# Altium PCB Brake Module B3 Sample.PcbDoc
Units mm, origin at the board's own origin, x right, y up, seen from the top; angles counter-clockwise.
Board outline 59.44 x 86.36 mm, 4 copper layers (Top Layer, Int1 (PWR), Int2 (GND), Bottom Layer), stack 1.439 mm thick; 101 components, 73 nets, 376 pads, 88 vias.
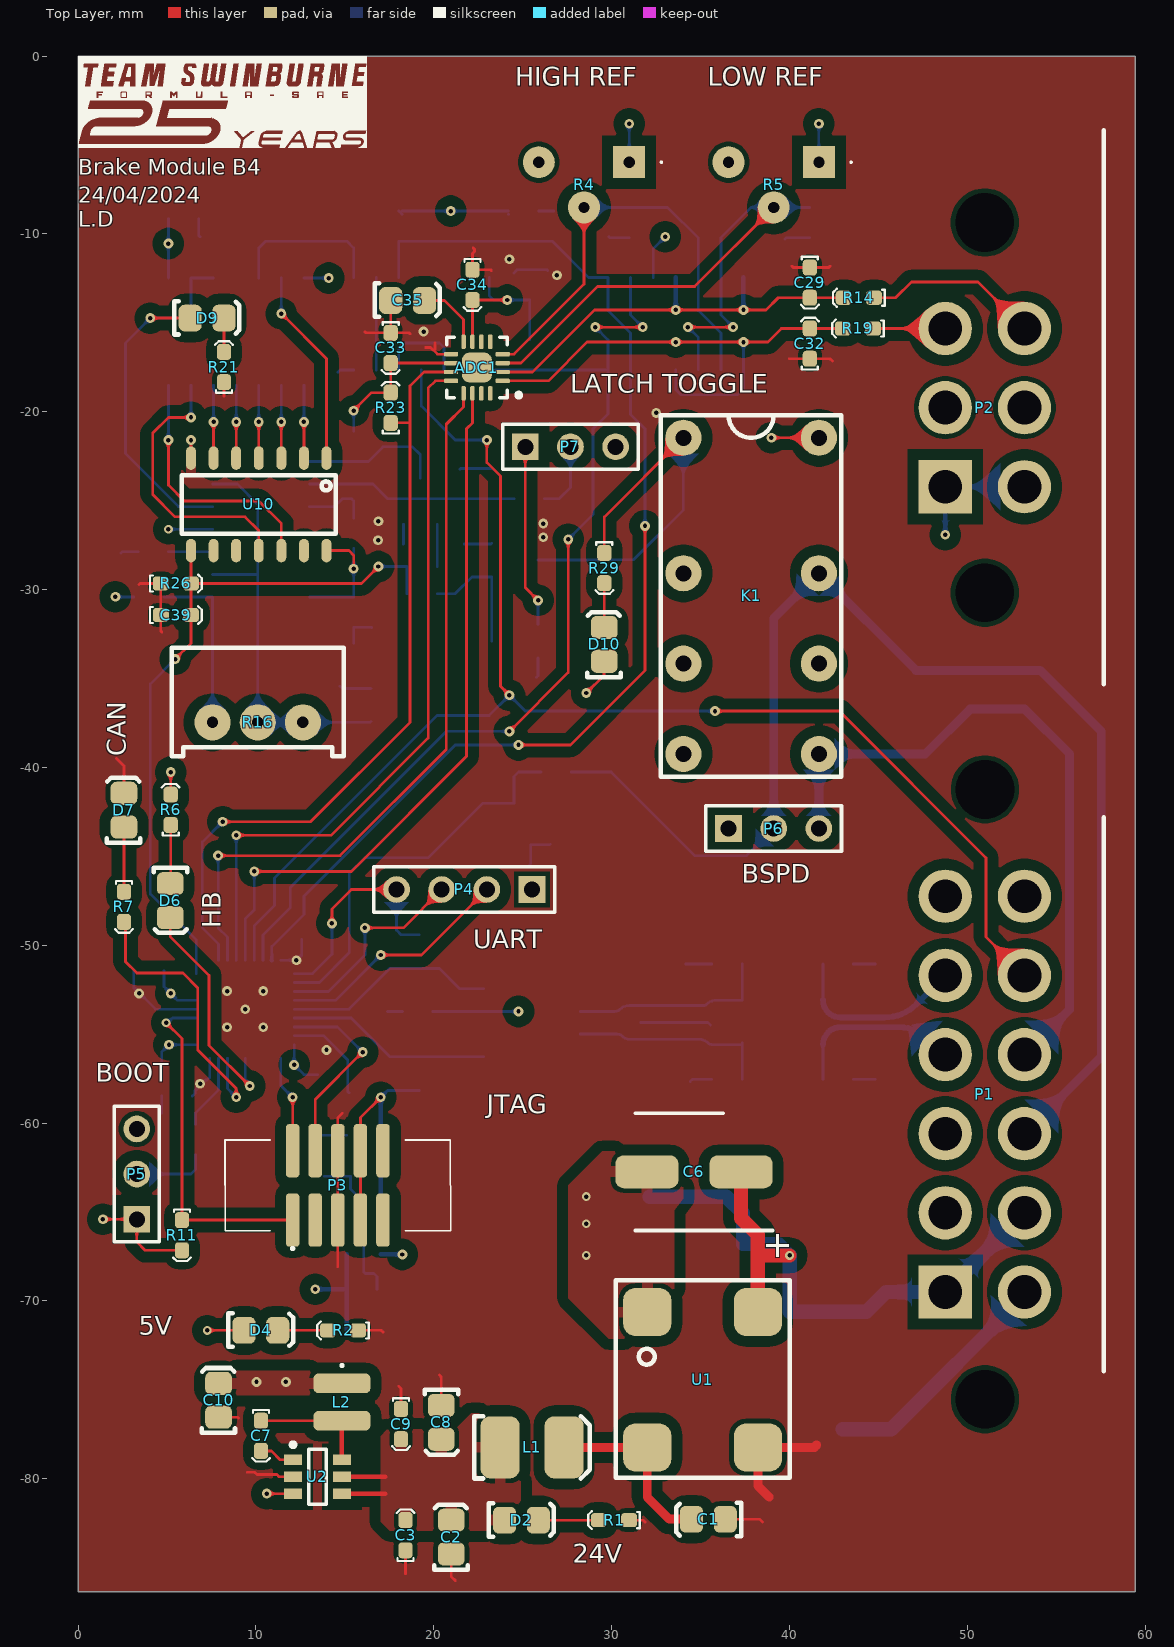
[diagram p0: Top Layer view]
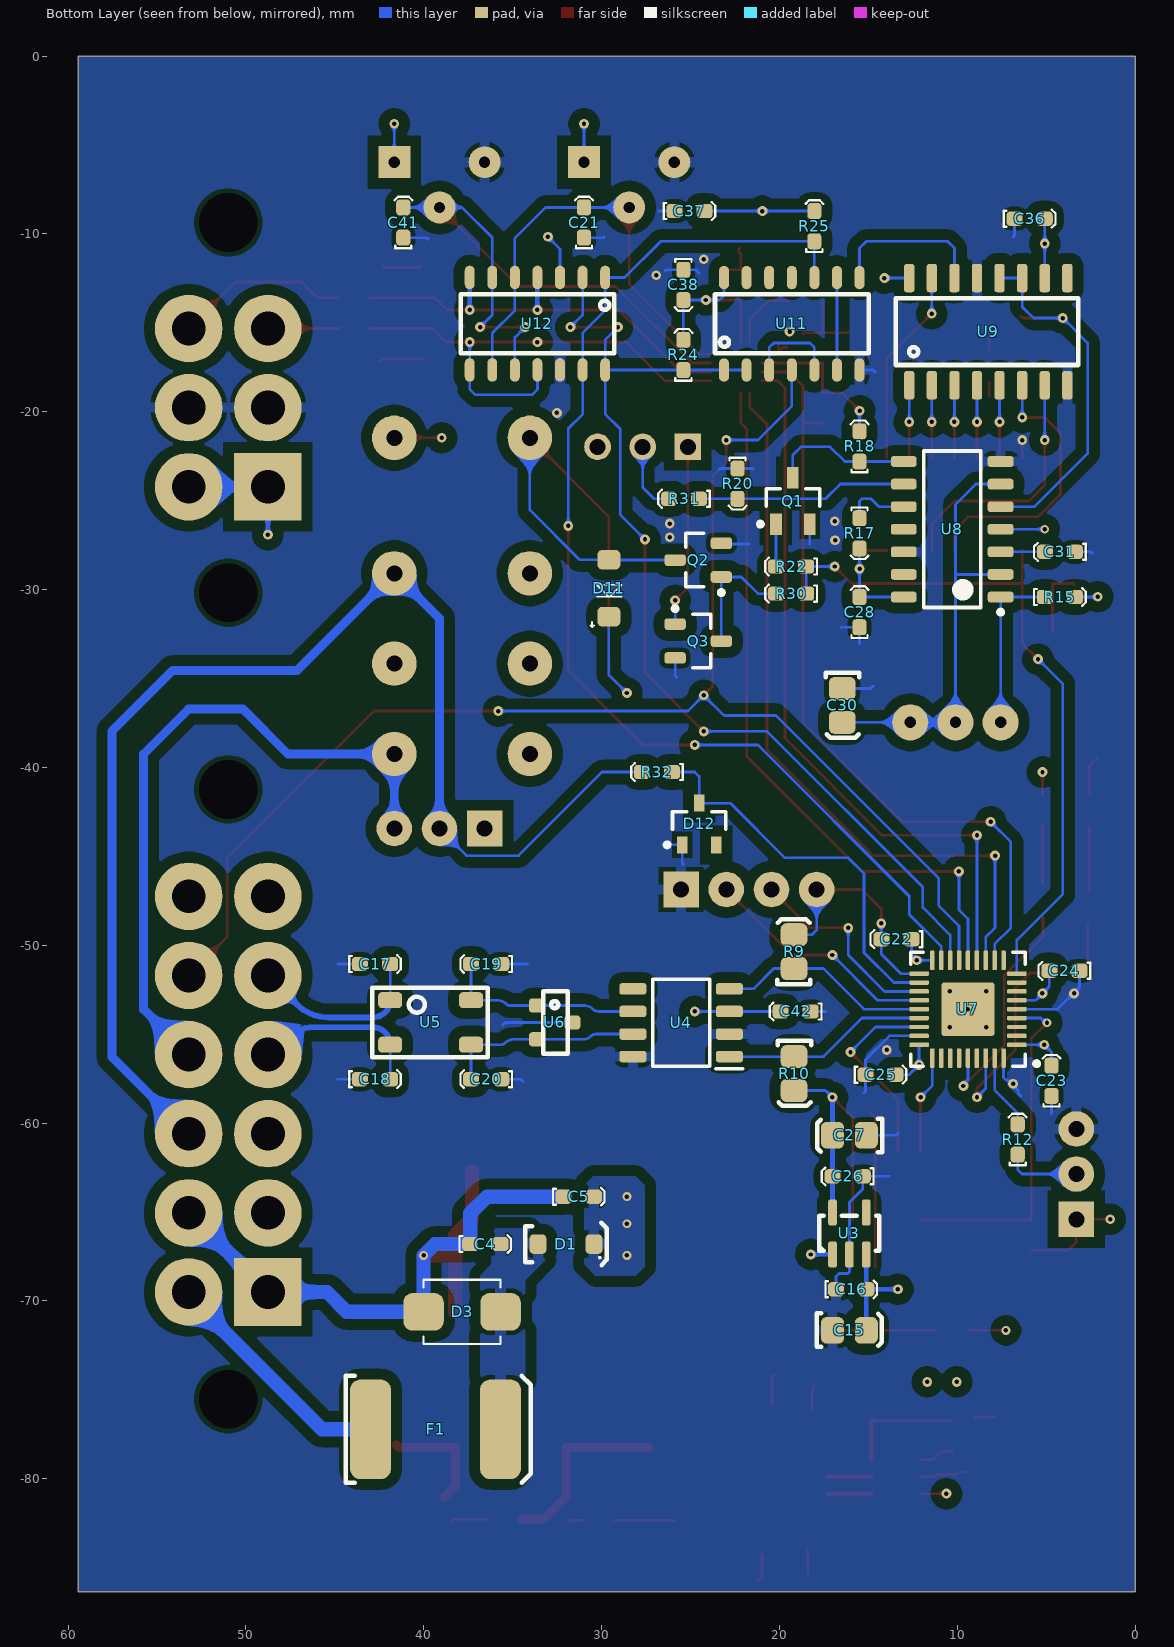
[diagram p1: Bottom Layer view, seen from below]
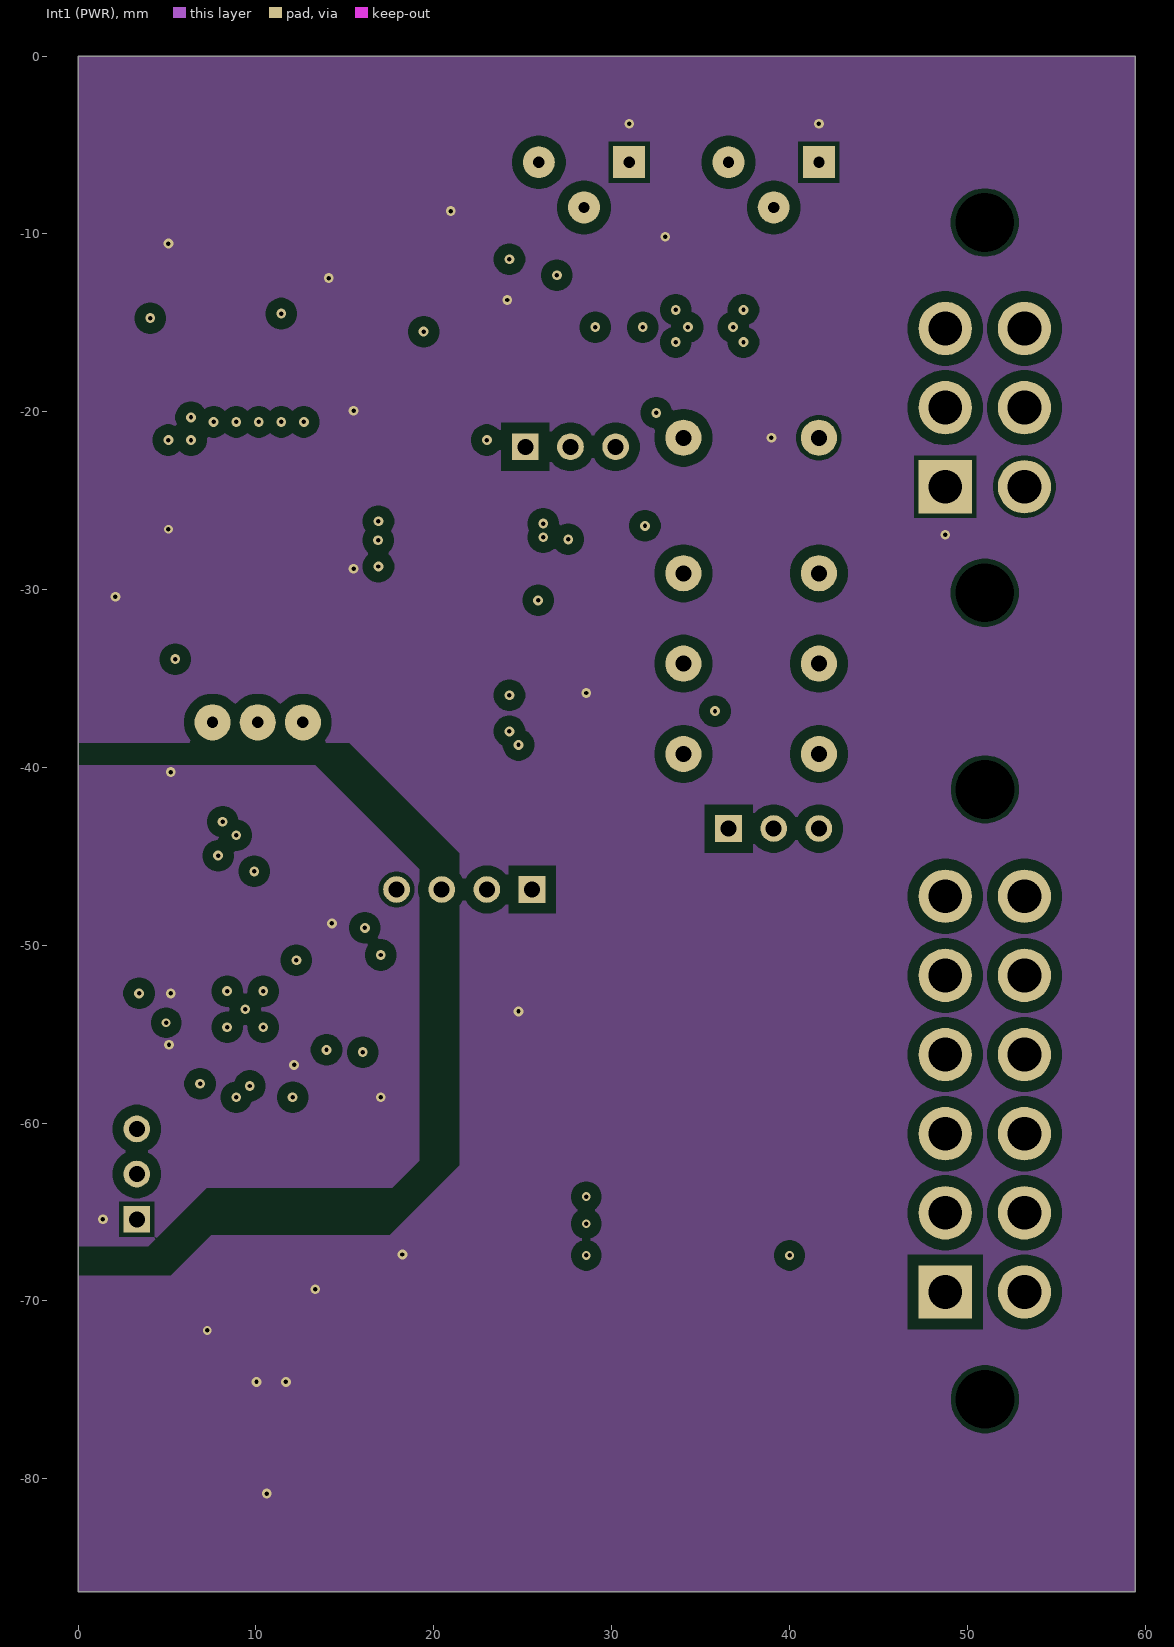
[diagram p2: Int1 (PWR)]
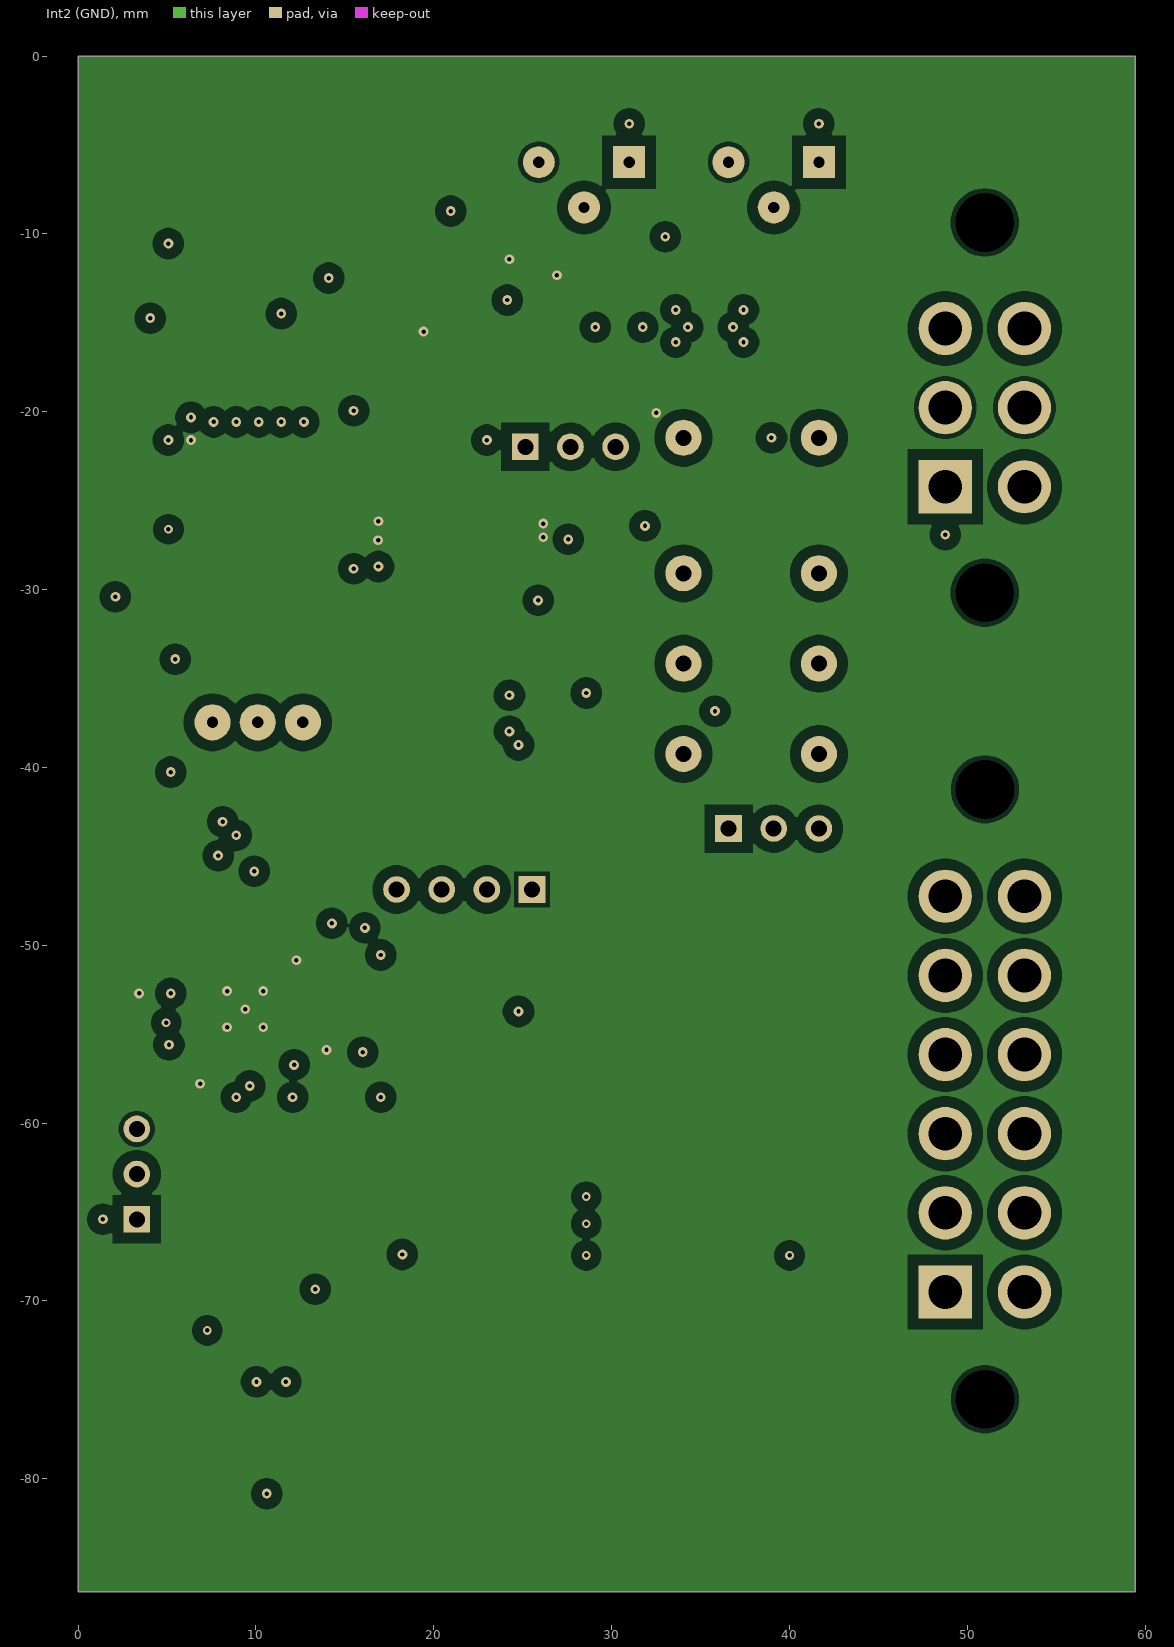
[diagram p3: Int2 (GND)]
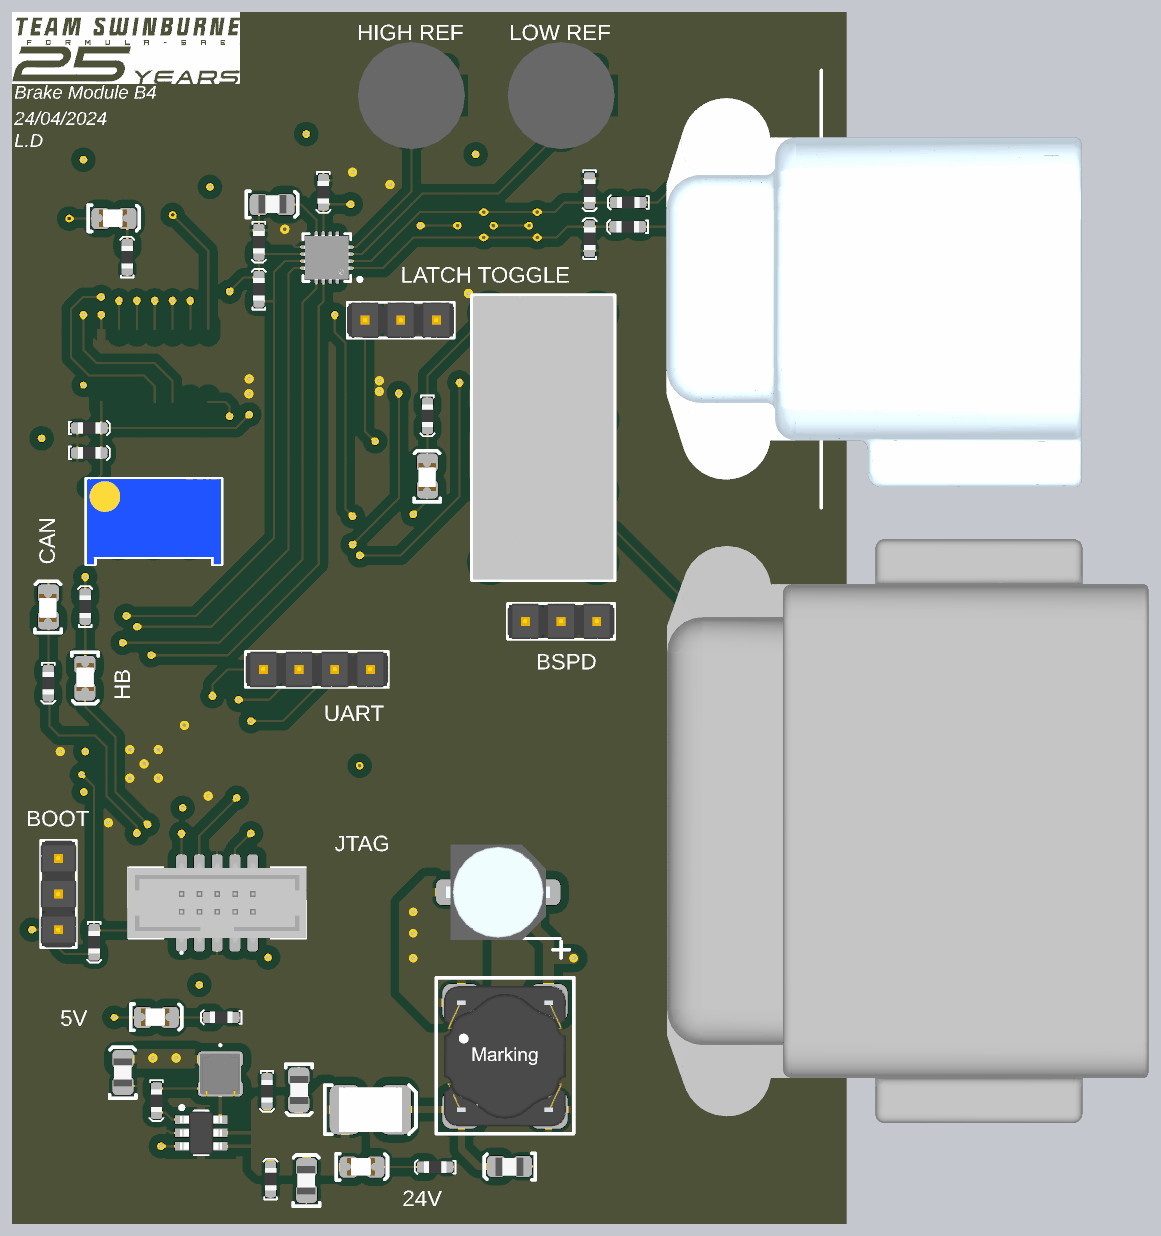
[diagram p4: 3D render of the assembled board from above, using the file's embedded part models]
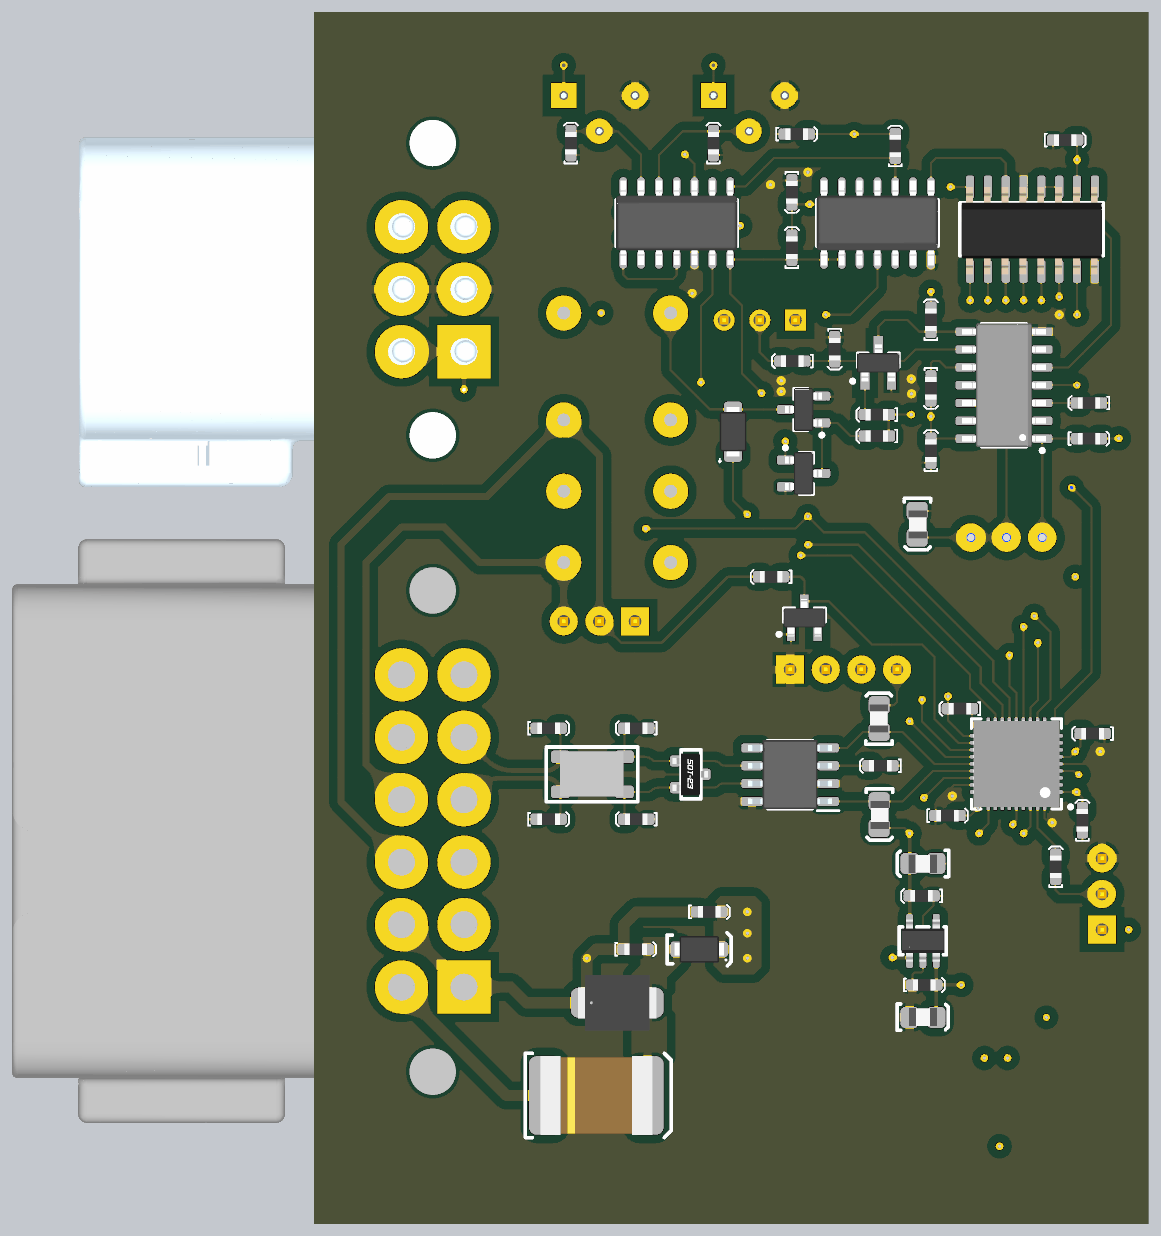
[diagram p5: 3D render of the assembled board from below, using the file's embedded part models]

## Layer stack, top to bottom
Top Solder: solder mask 0.0254, SM-001, Dk 4
Top Layer: signal copper 0.07
Dielectric 1: prepreg 0.1295, PP-017, Dk 4.3
Dielectric 2: prepreg 0.1295, PP-017, Dk 4.3
Int1 (PWR): signal copper 0.035
Dielectric 3: core 0.7112, Core-039, Dk 4.8
Int2 (GND): signal copper 0.035
Dielectric 4: prepreg 0.1295, PP-017, Dk 4.3
Dielectric 5: prepreg 0.1295, PP-017, Dk 4.3
Bottom Layer: signal copper 0.07
Bottom Solder: solder mask 0.0254, SM-001, Dk 4

## Board outline
0,-86.36 0,0 59.436,0 59.436,-30.226 59.436,-57.531 59.436,-86.36

## Design rules (kind name [scope] priority, off if disabled: settings)
Clearance [All] p1: gap=0.254 ignorepadtopadclearanceinfootprint=FALSE except(0: Arc-Hole Track-Hole SMDPad-Hole THPad-Hole Via-Hole Fill-Hole Region-Hole Text-Hole; 0.1: THPad-THPad; 0.152: Arc-SMDPad Track-SMDPad SMDPad-SMDPad; 0.2: Arc-THPad Track-THPad SMDPad-THPad THPad-Via; 0.203: Arc-Arc Arc-Track Arc-Region Track-Track Track-Region SMDPad-Region THPad-Region Via-Region Fill-Region Poly-Region Region-Region; 0.6: Arc-Poly Track-Poly SMDPad-Poly THPad-Poly Via-Poly Fill-Poly Poly-Poly)
DiffPairsRouting [All] p1: maxlimit=0.22 minlimit=0.22 mostfreqgap=0.22 toplayer_minwidth=0.33 toplayer_maxwidth=0.33 toplayer_prefwidth=0.33 midlayer1_minwidth=0.33 midlayer1_maxwidth=0.33 midlayer1_prefwidth=0.33 midlayer2_minwidth=0.33 midlayer2_maxwidth=0.33 midlayer2_prefwidth=0.33 bottomlayer_minwidth=0.33 bottomlayer_maxwidth=0.33 bottomlayer_prefwidth=0.33 maxuncoupledlength=12.7
Height [All] p1: minheight=0 maxheight=50 prefheight=12.7
HoleSize [All] p1: absolutevalues=TRUE maxlimit=10 minlimit=0.025 maxpercent=80.000 minpercent=20.000
MinimumSolderMaskSliver [All] p1 off: minsoldermaskwidth=0.254
NetAntennae [All] p1 off: netantennaetolerance=0
PlaneClearance [All] p1: clearance=0.4
PlaneConnect [All] p1: pad.planeconnectstyle=Relief pad.reliefexpansion=0.508 pad.reliefentries=4 pad.reliefconductorwidth=0.8 pad.reliefairgap=0.254 via.planeconnectstyle=Direct via.reliefexpansion=0.508 via.reliefentries=4 via.reliefconductorwidth=0.8 via.reliefairgap=0.254
PolygonConnect [All] p1: thpad.connectstyle=Relief thpad.reliefconductorwidth=0.6 thpad.reliefentries=4 thpad.polygonreliefangle="90 Angle" thpad.airgapwidth=0.254 smdpad.connectstyle=Relief smdpad.reliefconductorwidth=0.6 smdpad.reliefentries=4 smdpad.polygonreliefangle="90 Angle" smdpad.airgapwidth=0.254 via.connectstyle=Direct via.reliefconductorwidth=0.6 via.reliefentries=4 via.polygonreliefangle="90 Angle" via.airgapwidth=0.254
RoutingVias [All] p1: holewidth=0.25 width=0.55 viastyle="Through Hole" minholewidth=0.203 minwidth=0.254 maxholewidth=0.711 maxwidth=1.27 viatemplateguid#1={05C632E6-2ADF-43E0-8DE8-A8442F5747F6} viatemplatename#1=v50h25
SilkToSilkClearance [All] p1 off: silktosilkclearance=0.254
SilkToSolderMaskClearance [IsPad] p1 off: minsilkscreentomaskgap=0.254 clearancetoexposedcopper=TRUE
SolderMaskExpansion [All] p1: expansion=0.051 istentingtop=FALSE
Width [All] p1: maxlimit=3 minlimit=0.127 preferedwidth=0.152
21 further rules are at their usual default settings.

## Classes and differential pairs
component class TopLevel: P1 P2
component class "Safety Loop": "BSPD Swap1" D10 D11 D12 K1 P6 P7 Q2 Q3 R29 R30 R31 R32
component class "Power Supply": C1 C2 C3 C4 C5 C6 C7 C8 C9 C10 C15 C16 C26 C27 D1 D2 D3 D4 F1 L1 L2 R1 R2 U1 U2 U3
component class Microcontroller: C22 C23 C24 C25 D6 D7 P3 P4 P5 R6 R7 R9 R10 R11 R12 U7
component class CAN: C17 C18 C19 C20 C42 U4 U5 U6
component class BSPD: 1 ADC1 "BSPD OK1" C21 C28 C29 C30 C31 C32 C33 C34 C35 C36 C37 C38 C39 C41 D9 "High P.1" "Low P.1" Q1 R4 R5 R14 R15 R16 R17 R18 R19 R20 R21 R22 R23 R24 R25 R26 SR_IN1 U8 U9 U10 U11 U12
differential pair CAN1: +CAN1_P -CAN1_N

## Components (designator, comment, footprint, x,y, rotation, side; value= is the part's Value field where it differs from the comment)
ADC1 "ADS7028IRTER" WFQN-16 22.426,-17.514 r180 top
C1 "10uF" 0805 35.433,-82.296 r180 top
C2 "10uF" 0805 20.955,-83.26 r90 top
C3 "100nF" 0603 18.415,-84.022 r90 top
C4 "100nF" 0603 37.387,-66.802 r180 bottom
C5 "100nF" 0603 32.129,-64.135 r180 bottom
C6 "47uF" "CHEMI-CON ELCO" 34.631,-62.738 r180 top
C7 "100nF" 0603 10.287,-76.732 r270 top
C8 "2.2uF" 0805 20.447,-76.835 r270 top
C9 "100nF" 0603 18.161,-76.073 r270 top
C10 "10uF" 0805 7.874,-75.57 r90 top
C15 "1µF" 0805 16.051,-71.628 r180 bottom
C16 "100nF" 0603 16.813,-69.342 r180 bottom
C17 "100pF" 0603 43.588,-51.054 r180 bottom
C18 "100pF" 0603 43.588,-57.531 r180 bottom
C19 "100pF" 0603 35.638,-51.054 r0 bottom
C20 "100pF" 0603 35.638,-57.531 r0 bottom
C21 "100nF" 0603 30.988,-10.209 r90 bottom
C22 "100nF" 0603 12.573,-49.657 r0 bottom
C23 "100nF" 0603 4.699,-58.469 r90 bottom
C24 "100nF" 0603 3.126,-51.435 r0 bottom
C25 "100nF" 0603 15.162,-57.277 r180 bottom
C26 "100nF" 0603 15.313,-62.992 r0 bottom
C27 "1µF" 0805 16.075,-60.706 r0 bottom
C28 "100nF" 0603 15.494,-32.116 r90 bottom
C29 "100nF" 0603 41.148,-11.889 r270 top
C30 "10uF" 0805 16.443,-36.527 r270 bottom
C31 "10pF" 0603 3.38,-27.877 r0 bottom
C32 "100nF" 0603 41.148,-17.018 r90 top
C33 "100nF" 0603 17.58,-15.564 r270 top
C34 "100nF" 0603 22.176,-12.016 r270 top
C35 "1µF" 0805 18.542,-13.716 r0 top
C36 "100nF" 0603 6.78,-9.144 r180 bottom
C37 "100nF" 0603 25.908,-8.714 r180 bottom
C38 "100nF" 0603 25.4,-12.016 r270 bottom
C39 "100nF" 0603 4.65,-31.432 r0 top
C41 "100nF" 0603 41.148,-10.209 r90 bottom
C42 "100nF" 0603 18.239,-53.721 r0 bottom
D1 "PMEG100T10ELR-QX" SODFL350X110-2N 32.004,-66.802 r0 bottom
D2 "Red" "0805 LED" 24.943,-82.296 r0 top
D3 "SM6T39CAY" SM6T39CAY-Footprint-1 37.846,-70.612 r180 bottom
D4 "Red" "0805 LED" 10.287,-71.628 r0 top
D6 "Yellow" "0805 LED" 5.207,-47.498 r270 top
D7 "Yellow" "0805 LED" 2.553,-42.39 r90 top
D9 "Green" "0805 LED" 7.265,-14.706 r0 top
D10 "Green" "0805 LED" 29.565,-33.069 r90 top
D11 "PMEG100T10ELR-QX" "NXP SOD123W" 29.591,-29.921 r90 bottom
D12 "MMBZ5230BLT1G" NEXPERIA_SOT23 24.511,-43.18 r90 bottom
F1 "0ZCF0100AF2A" 2920 42.987,-77.216 r180 bottom
K1 "V23105A5475A201" "TI 2-DIL" 37.846,-30.353 r270 top
L1 "12uH" 1812 25.527,-78.232 r0 top
L2 "4.7uH" SRN3015TA-4R7M 14.837,-75.682 r270 top
P1 "DTF13-12P" DTF13-12P 53.213,-58.38 r90 top
P2 "DT13-6P" DTF13-6P 53.213,-19.768 r90 top
P3 "1.27mm" 3221-10-0300-00 14.605,-63.5 r0 top
P4 "2.54mm" "TH 2.54mm Header 1x4" 25.527,-46.863 r180 top
P5 "2.54mm" "TH 2.54mm Header 1x3"#1 3.302,-65.405 r90 top
P6 "2.54mm" "TH 2.54mm Header 1x3"#1 36.576,-43.434 r0 top
P7 "2.54mm" "TH 2.54mm Header 1x3"#2 25.146,-21.971 r0 top
Q1 "SQ2361ES-T1_GE3" "VSHY SOT-23-3"#1 19.243,-25.019 r90 bottom
Q2 "SQ2308CES-T1_GE3" "VSHY SOT-23-3"#2 24.565,-28.34 r0 bottom
Q3 "SQ2308CES-T1_GE3" "VSHY SOT-23-3"#2 24.565,-32.893 r180 bottom
R1 "20K" 0603 30.988,-82.322 r180 top
R2 "2K" 0603 15.748,-71.654 r180 top
R4 "10K (Var)" 3339P-1-1103LF 28.448,-8.509 r180 top
R5 "10K (Var)" 3339P-1-1103LF 39.116,-8.509 r180 top
R6 "500R" 0603 5.207,-43.229 r90 top
R7 "500R" 0603 2.579,-46.99 r270 top
R9 "5.1k" 0805 19.203,-50.346 r90 bottom
R10 "5.1k" 0805 19.151,-57.223 r270 bottom
R11 "10k" 0603 5.842,-65.45 r270 top
R12 "10k" 0603 6.604,-61.771 r90 bottom
R14 "1k" 0603 44.753,-13.589 r180 top
R15 "10k" 0603 5.08,-30.416 r180 bottom
R16 "10K (Var)" "B 3296" 10.188,-36.906 r0 top
R17 "1.2k" 0603 15.494,-25.986 r270 bottom
R18 "1.2k" 0603 15.494,-22.796 r90 bottom
R19 "1k" 0603 44.704,-15.318 r180 top
R20 "10k" 0603 22.352,-23.192 r270 bottom
R21 "1.2k" 0603 8.203,-18.337 r90 top
R22 "680R" 0603 18.493,-28.702 r0 bottom
R23 "1.2k" 0603 17.58,-20.623 r90 top
R24 "1.2k" 0603 25.4,-17.653 r90 bottom
R25 "1.2k" 0603 18.034,-10.414 r90 bottom
R26 "10k" 0603 4.65,-29.654 r0 top
R29 "680R" 0603 29.591,-27.94 r270 top
R30 "680R" 0603 18.493,-30.226 r0 bottom
R31 "680R" 0603 24.511,-24.892 r0 bottom
R32 "10k" 0603 26.035,-40.259 r0 bottom
U1 "744272121" "Wurth 4-PC Pad" 38.224,-78.232 r90 top value="120uH @ 100kHz"
U2 "LMR50410Y5FQDBVRQ1" TI-SOT23-6 13.462,-79.883 r0 top
U3 "TLV70033-Q1" "TI SOT-23-5" 17.013,-67.386 r180 bottom
U4 "TJA1042T_1J" SOIC127P600X175-8N 25.527,-54.356 r0 bottom
U5 "B82787C0104H002" "TDK 4-PC Pad" 41.888,-53.086 r180 bottom value="100µH @ 100kHz"
U6 "NUP2105L" "ON SOT-23" 32.639,-54.336 r270 bottom
U7 "STM32F103T8U6" STM_QFN-36 9.398,-53.594 r0 bottom
U8 "NE556DR" TI-SOIC14 10.287,-26.607 r0 bottom
U9 "MC74HC595ADR2G" "ON 16-SOIC" 12.7,-15.621 r90 bottom
U10 "CD74HC30M96" "TI 14-SOIC" -5.08,-20.006 r180 top
U11 "SN74HC00DR" "TI 14-SOIC" 4.064,-20.253 r180 bottom
U12 "LMV339IDR" "TI 14-SOIC" 48.846,-9.846 r0 bottom

## Footprints (in the part's own frame and the unit in brackets; to place one, negate y for a bottom-side part, rotate by r counter-clockwise, add the part's x,y. Pads: shape width x height; smd on the part's side, far side on the other; paste and mask are expansions set on the pad)
0603 [mm]
  rrect50% 0.9x0.8 smd: 1(0,0) 2(1.7,0)
  silkscreen extent -0.6,-0.5 2.3,0.5, body extent 0.05,-0.42 1.65,0.43, height 0.6
0805 [mm]
  rrect50% 1.3x1.5 smd: 1(-0.962,-0.026) 2(0.938,-0.026)
  silkscreen extent -1.85,-0.95 1.8,0.93, body extent -1,-0.65 1,0.66, height 0.73
"0805 LED" [mm]
  rrect50% 1.3x1.5 smd: A(-0.962,-0.026) K(0.938,-0.026)
  silkscreen extent -1.85,-0.95 1.8,0.93, body extent -1.09,-0.63 0.91,0.62, height 1
1812 [mm]
  rrect50% 2.2x3.5 smd: 1(-1.8,0) 2(1.8,0)
  silkscreen extent -3.25,-1.75 3.25,1.75, body extent -2.25,-1.6 2.25,1.6, height 2.5
2920 [mm]
  rrect50% 2.3x5.6 smd: 1(0,0) 2(7.3,0)
  silkscreen extent -1.4,-3 9,3, body extent -0.34,-2.81 7.64,2.81, height 1.14
3221-10-0300-00 [mm]
  rrect50% 0.76x3 smd: 1(-2.54,-1.95) 2(-2.54,1.95) 3(-1.27,-1.95) 4(-1.27,1.95) 5(0,-1.95) 6(0,1.95) 7(1.27,-1.95) 8(1.27,1.95) 9(2.54,-1.95) 10(2.54,1.95)
  silkscreen extent -6.35,-3.6 6.35,2.55, body extent -6.34,-2.8 6.36,2.8, height 5.25
3339P-1-1103LF [mm]
  rect 1.8x1.8 hole 0.63: 1(-2.54,-2.54)
  round 1.8 hole 0.63: 2(0,0) 3(2.54,-2.54)
  silkscreen extent -4.4,-2.59 -4.3,-2.49, body extent -3.81,-6.35 3.81,1.27, height 6.7
"B 3296" [mil]
  round 80 hole 25.2: 1(-103.39,-22) 2(-3.39,-22) 3(96.61,-22)
  silkscreen extent -193,-97 187,143, body extent -191,-97 184,143, height 455
"CHEMI-CON ELCO" [mm]
  rrect50% 3.55x1.85 smd: 1(-2.65,0) 2(2.65,0)
  silkscreen extent -4.43,-3.3 3.3,3.3, body extent -3.7,-3.4 3.7,3.4, height 6.1
DTF13-6P [mm]
  round 3 hole 3.3 unplated: 0(-10.41,2.225) 0(10.41,2.225)
  rect 3x3 / inner rect 3x3 / far side rect 3.8x3.8 hole 1.9: 1(-4.45,4.45)
  round 3 / inner round 3 / far side round 3.8 hole 1.9: 2(0,4.45) 3(4.45,4.45) 4(4.45,0) 5(0,0) 6(-4.45,0)
  silkscreen extent -15.56,-4.45 15.59,-4.45, body extent -14.1,-23 13.61,6.6, height 22.67
DTF13-12P [mm]
  round 3 hole 3.3 unplated: 0(-17.145,2.22) 0(17.145,2.22)
  rect 3x3 / inner rect 3x3 / far side rect 3.8x3.8 hole 1.9: 1(-11.114,4.45)
  round 3 / inner round 3 / far side round 3.8 hole 1.9: 2(-6.664,4.45) 3(-2.214,4.45) 4(2.236,4.45) 5(6.686,4.45) 6(11.136,4.45) 7(11.136,0) 8(6.686,0) 9(2.236,0) 10(-2.214,0) 11(-6.664,0) 12(-11.114,0)
  silkscreen extent -15.56,-4.45 15.59,-4.45, body extent -20.79,-27.74 20.79,6.55, height 23.13
NEXPERIA_SOT23 [mm]
  rect 0.95x0.6 smd: 2(-1.175,-0.95) A(-1.175,0.95) K(1.175,0)
  silkscreen extent -1.3,-1.5 0.7,1.93, body extent -1.33,-1.5 1.33,1.5, height 1.1
"NXP SOD123W" [mm]
  rrect50% 1.1x1.3 smd: A(1.6,0) K(-1.6,0)
  silkscreen extent -2.2,-0.73 0.2,1.04, body extent -1.75,-0.95 1.75,0.95, height 1.1
"ON 16-SOIC" [mm]
  rrect50% 1.6x0.58 smd: 1(-2.89,0) 2(-2.89,-1.27) 3(-2.89,-2.54) 4(-2.89,-3.81) 5(-2.89,-5.08) 6(-2.89,-6.35) 7(-2.89,-7.62) 8(-2.89,-8.89) 9(3.14,-8.89) 10(3.14,-7.62) 11(3.14,-6.35) 12(3.14,-5.08) 13(3.14,-3.81) 14(3.14,-2.54) 15(3.14,-1.27) 16(3.14,0)
  silkscreen extent -1.75,-9.5 2,0.75, body extent -3.09,-9.4 3.14,0.6, height 1.75
"ON SOT-23" [mm] "NUP2105L"
  rrect50% 0.8x0.9 smd: 1(-0.95,-1) 2(0.95,-1) 3(0,1)
  silkscreen extent -1.75,-0.65 1.75,0.75, body extent -1.5,-1.28 1.5,1.27, height 1
SM6T39CAY-Footprint-1 [mm]
  rrect50% 2.28x2.12 smd: A(2.165,0) K(-2.165,0)
  silkscreen extent -2.16,-1.81 2.16,1.81, body extent -2.79,-1.98 2.79,1.98, height 2.64
SODFL350X110-2N [mm] "SODFL, 2-Leads, Body 1.70x3.50mm, IPC Medium Density"
  rrect50% 0.95x1.1 smd: A(1.575,0) K(-1.575,0)
  silkscreen extent -2.29,-1.19 2.28,1.18, body extent -1.75,-0.95 1.75,0.95, height 1.1
SOIC127P600X175-8N [mm]
  rrect50% 1.525x0.65 smd: 1(-2.712,1.905) 2(-2.712,0.635) 3(-2.712,-0.635) 4(-2.712,-1.905) 5(2.712,-1.905) 6(2.712,-0.635) 7(2.712,0.635) 8(2.712,1.905)
  silkscreen extent -3.47,-2.45 1.6,2.58, body extent -3,-2.45 3,2.45, height 1.75
SRN3015TA-4R7M [mm]
  rrect50% 1.1x3.2 smd: 1(-1.05,0) 2(1.05,0)
  silkscreen extent -2.1,-0.05 -2,0.05, body extent -1.46,-1.47 1.61,1.47, height 1.4